# Altium PCB RadYaab_v1.PcbDoc (part 2 of 2)
Units mm, origin at the board's own origin, x right, y up, seen from the top; angles counter-clockwise.
Board outline 44 x 89 mm, 2 copper layers (Top Layer, Bottom Layer), stack 0.351 mm thick; 149 components, 96 nets, 434 pads, 290 vias.
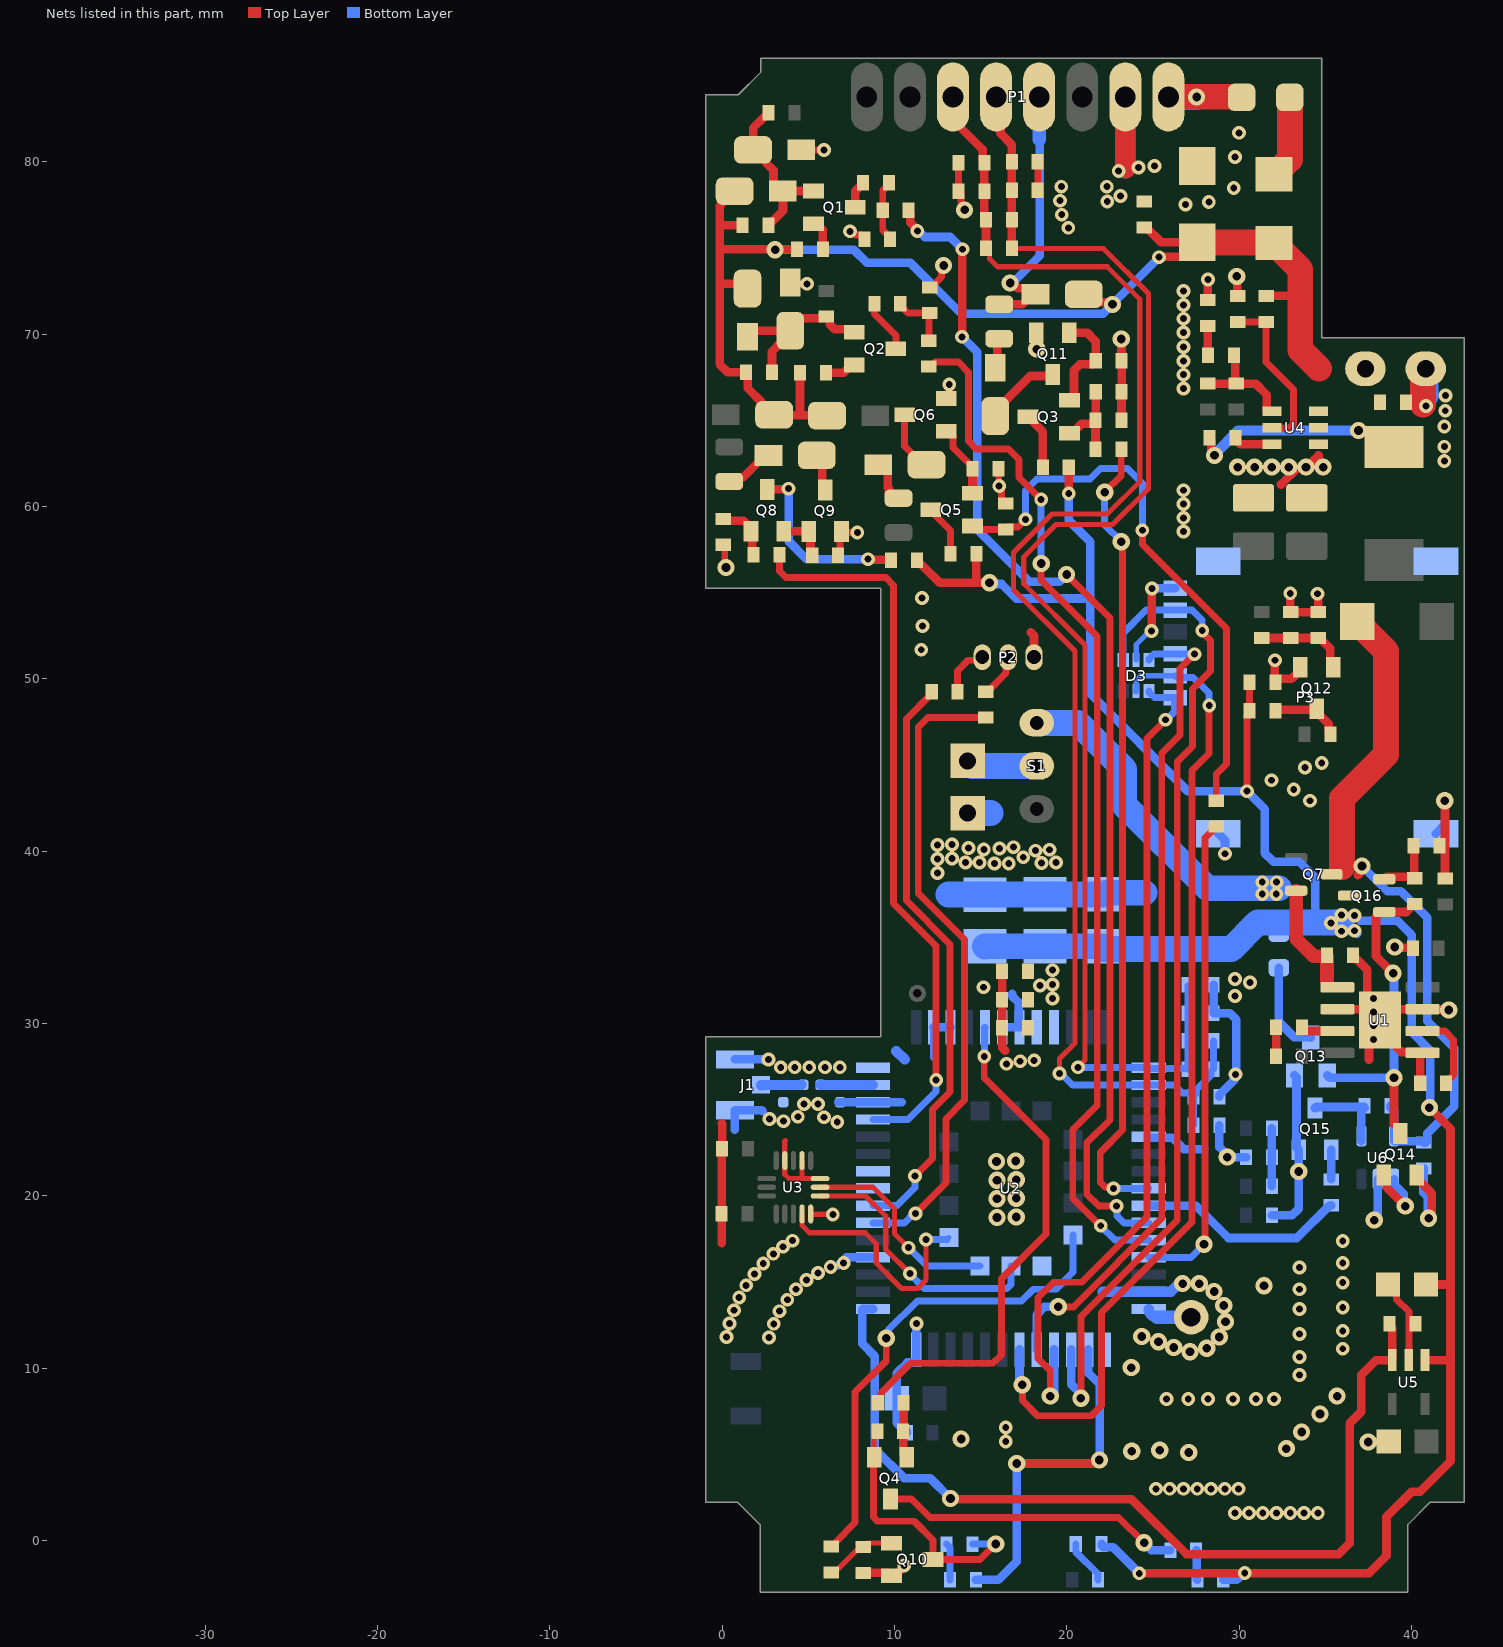
[diagram p2: the nets of this part, all layers, seen from the top]

## Via types
v1: diameter 0.8, hole 0.4, Top Layer to Bottom Layer, tented both sides, 206 vias
v2: diameter 1, hole 0.5, Top Layer to Bottom Layer, tented both sides, 84 vias

## Nets (pads, with @x,y where several pads share a name; then routed paths per layer and width w, separated by ;. In a path a pad name is that pad's centre, name@x,y a point inside that pad or via, vN(x,y) a via of type N, cw(c..) or ccw(c..) an arc to the next point about the centre after c; other vN are vias at no path point) (continued)
GND: C1.1 C2.1 C4.2 C5.1 C6.2 C7.1 C8.1 C9.1 C10.1 C11.1 C12.1 C13.1 C14.1 C15.1 C16.2 C17.1 C19.2 C20.1 C21.1 C22.1 C24.1 C25.1 C26.2 C27.1 C28.1 C29.1 C30.1 C31.1 C34.1 C36.2 C37.2 C38.2 C39.2 C42.1 C45.1 D2.1 D3.2 D5.A D8.1 J1.2 J1.3 JP1.2 P1.2 P2.3 P3.4 P3.9 P3.10 P3.11 P3.12 Q6.2 Q9.2 Q10.2 Q11.2 Q12.2 Q13.2 Q14.2 Q15.2 R1.1 R9.2 R14.2 R20.2 R23.1 R28.1 R35.2 R45.1 R46.1 R47.1 R50.1 R51.1 R53.1 R73.1 R75.2 R76.1 U1.1 U1.3 U1.6 U1.9 U2.5 U2.14 U2.16 U2.27 U2.31 U2.40 U2.42 U2.44 U2.45 U2.48 U2.49 U3.5 U3.8 U3.10 U3.12 U4.1 U5.2 U6.2 | length 185.4
  Top Layer w0.254: v2(24.359,11.836) 24.501,11.694 24.96,11.694 25.122,11.532 v2(25.324,11.532)
  Top Layer w0.3: 3.683,23.216 3.64,23.173 U3.12@3.64,22.048 3.64,21.252 3.894,20.998 4.674,20.998 ; U3.10@4.64,22.048 4.64,21.031 4.674,20.998 ; U3.5@5.14,18.948 5.14,18.935 6.414,18.935 v1(6.426,18.923) ; U3.8@5.69,20.998 4.674,20.998
  Top Layer w0.4: R50.1@0.076,57.785 0.152,57.709 0.152,56.54 v2(0.229,56.464) ; D8.1@3.962,72.999 4.038,72.923 v1(4.928,72.923) ; D2.1@4.597,80.696 v1(5.918,80.696) ; R51.1@6.731,57.175 6.83,57.275 6.83,58.448 Q9.2@6.929,58.547 6.98,58.496 v1(7.849,58.496) ; v1(7.417,75.971) 7.525,75.971 7.732,75.764 8.105,75.764 8.255,75.614 R23.1@8.255,75.514 ; R28.1@12.04,72.72 12.14,72.72 12.738,73.318 12.738,73.875 v2(12.852,73.99) ; Q6.2@13.005,66.269 13.183,66.446 v1(13.183,67.081) ; C28.1@13.715,79.959 C2.1@13.715,78.308 13.865,78.158 13.865,77.585 14.072,77.378 v2(14.072,77.216) ; R47.1@16.027,62.205 16.053,62.179 16.053,61.214 v1(16.078,61.189) 16.078,61.08 16.209,60.949 16.209,60.323 16.359,60.173 R46.1@16.459,60.173 ; Q11.2@18.237,70.079 18.25,70.066 18.25,69.151 v2(18.263,69.139) ; C6.2@18.315,78.259 C6.2@18.315,78.359 C36.2@18.315,80.01 ; v1@19.612,76.962 v1@19.685,76.962 ; v2(37.49,5.715) 38.659,5.715 C11.1@38.684,5.74 ; C12.1@38.643,14.859 39.143,14.359 39.143,13.994 39.85,13.286 U5.2@39.85,10.465
  Top Layer w0.5: -0.025,17.247 -0.025,17.424 -0.027,17.426 C34.1@-0.027,18.974 -0.014,18.986 -0.014,22.72 C31.1@-0.001,22.733 -0.001,24.182 -0.025,24.206 ; R53.1@8.179,-1.88 9.657,-1.88 Q10.2@9.83,-2.052 10.005,-2.052 10.566,-1.491 v1(10.566,-1.448) ; C5.1@16.255,33.02 C27.1@16.255,31.369 C7.1@16.255,29.743 16.255,28.602 16.434,28.423 ; 17.907,52.705 18.1,52.512 P2.3@18.1,51.262 ; C10.1@23.165,64.999 23.173,65.007 R73.1@23.173,66.277 ; R73.1@23.165,66.269 R73.1@23.173,66.277 ; v2(23.165,69.723) 23.173,69.714 23.173,68.462 R76.1@23.182,68.453 R73.1@23.182,66.675 R73.1@23.173,66.666 ; R73.1@23.173,66.675 R73.1@23.173,66.666 ; C14.1@24.473,77.738 C14.1@24.511,77.7 C14.1@24.611,77.7 ; v1(24.917,52.781) 24.93,52.794 24.93,55.232 v1(24.943,55.245) ; D5.A@26.774,78.921 27.584,79.731 D5.A@27.584,79.761 ; R9.2@28.169,71.984 28.181,71.996 28.181,73.165 v1(28.194,73.177) ; v2(29.87,73.355) 29.896,73.33 29.896,72.239 R20.2@29.921,72.214 ; v1(32.08,51.079) 32.08,49.827 C42.1@32.106,49.801 32.106,49.901 32.206,50.001 33.062,50.001 33.558,50.498 Q12.2@33.558,50.673 ; 32.436,61.277 33.414,62.255 33.63,62.255 33.68,62.205 33.803,62.328 34.311,62.328 34.311,62.67 34.608,62.967 34.62,62.954 v2@34.62,62.255 ; v1(32.969,54.966) 32.978,54.957 32.978,53.883 R75.2@32.987,53.875 C45.1@34.587,53.875 34.591,53.879 34.591,54.893 v1(34.544,54.94) ; U1.6@35.701,30.836 U1.9@37.541,30.836 ; C17.1@36.601,33.96 36.601,33.86 36.701,33.76 36.801,33.76 37.44,33.122 37.44,30.937 U1.9@37.541,30.836 ; 37.541,27.915 37.541,29.566 U1.9@37.821,29.845 ; v1(37.795,29.87) 37.846,29.87 U1.9@38.176,30.201 ; v2(39.04,34.442) 39.078,34.404 40.042,34.404 C1.1@40.08,34.366 ; Q14.2@40.305,21.209 40.305,21.034 41.187,20.152 41.187,19.021 40.996,18.83 v2(40.996,18.694) ; R1.1@40.512,26.543 40.512,28.246 40.562,28.296 U1.1@40.651,28.296 ; U1.1@40.601,28.346 39.426,28.346 39.133,28.638 39.133,29.244 U1.9@38.176,30.201 ; v2(41.935,42.926) 41.948,42.913 41.948,38.419 R14.2@41.961,38.406 ; v2(42.164,30.785) 42.139,30.81 40.677,30.81 U1.3@40.651,30.836 38.811,30.836 U1.9@38.176,30.201 ; R73.1@23.173,66.277 R73.1@23.173,66.666 ; U1.9@37.541,30.836 37.617,30.836 38.176,30.277 U1.9@38.176,30.201
  Top Layer w1: C21.1@33.934,60.506 C21.1@33.982,60.554
  Top Layer w1.2: 23.4,79.643 P1.2@23.4,83.769
  Top Layer w1.5: v1@40.665,65.913 40.665,67.835 C19.2@40.83,68
  Bottom Layer w0.3: D3.2@24.028,51.09 24.028,51.994 24.816,52.781 v1(24.917,52.781)
  Bottom Layer w0.4: v1@5.893,80.696 v1(5.918,80.696) ; 12.257,28.027 U2.44@12.257,29.782
  Bottom Layer w0.5: 0.737,23.851 J1.3@0.737,24.968 2.311,24.968 2.362,24.917 ; J1.2@0.737,27.918 2.384,27.918 v1@2.464,27.838 ; C9.1@6.732,25.433 U2.40@8.757,25.432 ; v1@6.757,15.977 7.212,16.432 U2.31@8.757,16.432 ; U2.40@8.757,25.432 10.414,25.432 ; 10.592,27.915 10.643,27.915 ; C13.1@10.717,6.248 10.717,6.348 10.617,6.448 10.517,6.448 10.135,6.831 C24.1@10.135,8.255 10.135,9.705 10.762,10.332 11.207,10.332 11.257,10.382 U2.27@11.257,11.082 11.267,11.092 11.267,12.588 v1(11.278,12.598) ; U2.44@12.257,29.782 U2.45@13.257,29.782 ; U2.48@16.257,29.782 U2.49@17.257,29.782 17.207,29.832 17.207,31.223 16.84,31.589 16.84,31.725 ; U2.5@24.757,23.432 24.807,23.382 26.123,23.382 26.797,22.708 27.965,22.708 ; v1(24.943,55.245) 24.951,55.253 26.286,55.253 P3.4@26.293,55.26 ; C38.2@28.52,32.241 C37.2@28.52,30.607 29.464,30.607 29.845,30.226 29.845,27.102 29.737,26.994 29.737,26.737 28.856,25.856 C29.1@28.856,25.756 ; P3.10@28.793,41.02 29.185,40.629 v1(29.185,39.853) ; C30.1@28.86,24.096 28.86,22.837 29.312,22.386 v2(29.312,22.25) ; v2@29.54,22.25 R45.1@30.402,22.25 ; C15.1@31.904,18.872 33.071,18.872 33.457,19.258 v2(33.457,21.412) Q15.2@33.457,22.682 33.335,22.804 33.335,26.87 Q13.2@33.213,26.992 ; v2(37.846,18.593) 37.846,18.728 38.049,18.931 U6.2@38.049,20.97 ; C26.2@40.716,21.589 40.716,21.501 40.704,21.489 40.704,20.194 40.954,19.944 40.954,18.736 v2(40.996,18.694) ; P3.12@41.423,41.02 P3.12@41.935,41.533
  Bottom Layer w0.6: 10.109,28.397 10.592,27.915 ; 22.093,14.432 U2.14@24.757,14.432 26.032,14.432 26.637,15.037 v2@26.822,15.037
  Bottom Layer w1.2: 23.4,79.648 P1.2@23.4,83.769
  Bottom Layer w1.5: 13.132,37.49 15.231,37.49 C4.2@15.248,37.473 15.257,37.482 18.737,37.482 C16.2@18.745,37.49 22.149,37.49 22.25,37.592 24.511,37.592 ; JP1.2@14.241,42.215 15.57,42.215 ; 40.83,66.446 C19.2@40.83,68
  other v1: 29.771,1.6 30.571,1.6 31.371,1.6 32.171,1.6 32.971,1.6 33.771,1.6 34.571,1.6 25.173,2.997 25.973,2.997 26.773,2.997 27.573,2.997 28.374,2.997 29.174,2.997 29.974,2.997 16.459,5.74 16.459,6.553 25.781,8.204 27.051,8.204 28.194,8.204 29.642,8.204 30.988,8.204 32.029,8.204 33.503,9.601 33.503,10.643 36.017,11.125 2.718,11.786 0.254,11.811 33.503,11.989 36.017,12.167 2.997,12.573 0.432,12.598 3.327,13.31 0.686,13.36 33.503,13.437 36.017,13.513 3.785,13.97 0.991,14.097 4.293,14.58 33.503,14.58 1.397,14.808 36.017,14.961 4.902,15.113 1.88,15.469 5.563,15.519 33.503,15.85 6.299,15.875 2.388,16.078 7.055,16.106 36.017,16.104 2.972,16.637 3.531,17.043 36.017,17.374 4.089,17.399 6.68,24.282 3.556,24.333 2.743,24.46 5.918,24.562 4.394,24.587 4.75,25.324 5.563,25.324 29.794,27.051 3.404,27.457 4.216,27.457 5.055,27.457 5.969,27.457 6.833,27.457 16.51,27.661 17.297,27.813 18.11,27.864 2.692,27.915 37.795,29.083 37.795,30.658 37.795,31.445 29.769,31.598 15.164,32.106 30.632,32.385 29.769,32.588 12.497,38.735 15.799,39.294 16.637,39.294 18.542,39.319 14.122,39.345 14.935,39.345 19.38,39.345 12.497,39.548 13.335,39.573 17.475,39.649 18.186,40.03 18.999,40.081 15.189,40.107 16.104,40.157 14.3,40.183 16.916,40.234 12.497,40.361 13.335,40.386 34.112,42.926 33.172,43.586 31.877,44.12 33.833,44.856 34.798,45.11 11.557,51.689 11.633,53.061 11.608,54.686 26.772,58.545 26.772,59.346 26.772,60.146 26.772,60.946 41.91,62.636 41.91,63.475 41.91,64.643 41.961,65.557 40.843,65.837 41.986,66.446 26.772,66.851 26.772,67.651 26.772,68.451 26.772,69.251 26.772,70.102 26.772,70.903 26.772,71.703 26.772,72.503 20.091,76.175 19.71,76.937 26.899,77.521 28.245,77.673 22.352,77.699 19.609,77.749 23.114,78.029 29.693,78.486 19.685,78.562 22.327,78.562 23.012,79.477 24.155,79.68 25.095,79.756 29.769,80.289 29.997,81.686
  other v2: 27.076,5.105 23.774,5.182 25.4,5.232 32.745,5.334 13.868,5.893 33.63,6.299 34.696,7.341 35.687,8.382 23.741,10.033 27.153,10.947 28.118,11.151 26.213,11.201 28.854,11.811 29.21,12.7 29.108,13.64 28.55,14.453 31.445,14.783 26.721,14.91 27.686,14.91 15.951,18.745 17.069,18.771 15.951,19.837 17.069,19.863 15.951,20.904 17.069,20.93 15.926,21.996 17.043,22.022 29.912,62.292 30.902,62.292 31.893,62.292 32.884,62.292 33.884,62.292 34.874,62.292
GNSS_1PPS: LED4.1 U2.17 | length 20.1
  Top Layer w0.5: v2(17.094,4.47) 21.692,4.47 v2(21.895,4.674)
  Bottom Layer w0.5: LED4.1@14.732,-2.286 16.027,-2.286 17.094,-1.219 v2(17.094,4.47) ; U2.17@21.257,11.082 21.257,9.723 21.903,9.076 21.903,4.682 v2(21.895,4.674)
GNSS_ANT: A1.1 U2.15 | length 2.8
  Bottom Layer w0.6: U2.15@24.757,13.432 ccw(c25.235,13.432) 25.235,12.954
  Bottom Layer w0.8: 25.235,12.954 A1.1@27.221,12.954 A1.1@27.246,12.929
GNSS_VCC_EN: R35.1 U2.28 U5.3 | length 53.8
  Top Layer w0.5: v2(13.256,2.436) 13.256,2.385 23.777,2.385 26.949,-0.787 35.789,-0.787 36.424,-0.152 36.424,6.807 37.084,7.468 37.084,9.601 37.948,10.465 U5.3@38.885,10.465 38.885,12.321 38.734,12.473 R35.1@38.734,12.573
  Bottom Layer w0.5: U2.28@8.757,13.432 8.178,13.432 8.128,13.382 8.128,11.43 8.865,10.693 8.865,5.309 10.566,3.607 12.085,3.607 v2(13.256,2.436)
GSM_ANT: C8.2 J1.1 R11.1 | length 2.3
  Bottom Layer w0.6: J1.1@2.261,26.416 2.278,26.433 C8.2@3.556,26.433 4.58,26.433 R11.1@4.588,26.441
GSM_WD: R41.2 U2.9 | length 12.2
  Bottom Layer w0.5: U2.9@24.757,19.432 27.507,19.432 29.388,17.551 33.352,17.551 35.232,19.432 35.332,19.432 R41.2@35.357,19.456
HRXD: P2.1 R34.2 | length 3
  Top Layer w0.4: R34.2@13.665,49.253 13.665,50.47 14.276,51.08 14.918,51.08 P2.1@15.1,51.262
HTXD: P2.2 R31.2 | length 2.6
  Top Layer w0.4: R31.2@15.291,49.253 15.391,49.253 16.485,50.347 16.485,51.147 P2.2@16.6,51.262
IIC_SCL0: U2.35
IIC_SDA0: U2.36
LED_Ctrl: R52.2 U2.58 | length 28.3
  Top Layer w0.4: R52.2@6.325,-0.354 6.425,-0.354 6.575,-0.204 6.575,-0.104 7.722,1.043 7.722,8.611 9.525,10.414 v2(9.525,11.735)
  Bottom Layer w0.4: v2(9.525,11.735) 9.64,11.85 9.64,12.205 11.328,13.894 17.374,13.894 18.059,14.58 19.366,14.58 20.357,15.57 U2.58@20.357,17.732
LED_GND: Q4.2 Q10.3 R18.2 R29.1 | length 15.6
  Top Layer w0.3: Q4.2@8.821,4.826 8.821,6.162 R29.1@9.009,6.35
  Top Layer w0.4: Q4.2@8.821,4.826 8.788,4.793 8.788,1.352 9.023,1.118 11.151,1.118 12.243,0.025 Q10.3@12.243,-1.102 14.976,-1.102 v2(15.875,-0.203)
  Bottom Layer w0.4: R18.2@14.527,-0.206 14.53,-0.203 v2(15.875,-0.203)
MC60_ANT_PAD: C9.2 R11.2 U2.41 | length 3
  Bottom Layer w0.6: R11.2@5.715,26.441 5.723,26.433 C9.2@6.858,26.433 ; C9.2@6.858,26.432 U2.41@8.757,26.432
MIC_N: C2.2 C3.2 C28.2 C29.2 C30.2 C32.2 C33.2 C35.2 P1.6 U2.2 | length 85.2
  Top Layer w0.3: C3.2@15.316,74.981 15.516,74.781 15.516,74.374 15.977,73.914 22.352,73.914 24.232,72.034 24.232,61.443 22.352,59.563 19.152,59.563 16.916,57.328 16.916,55.169 20.472,51.613 20.472,28.854 19.583,27.965 v1(19.583,27.102)
  Top Layer w0.5: P1.6@13.4,83.769 13.4,82.434 15.115,80.72 15.115,80.059 C28.2@15.215,79.959 C2.2@15.215,78.308 15.215,76.833 15.316,76.732 C32.2@15.316,76.632 C3.2@15.316,74.981
  Bottom Layer w0.4: v1(19.583,27.102) 19.658,27.102 20.328,26.432 U2.2@24.757,26.432 26.248,26.432 26.716,25.964 27.206,25.964 27.356,25.814 C29.2@27.356,25.756 27.358,25.754 27.358,24.098 C30.2@27.36,24.096 ; C29.2@27.506,25.906 27.506,26.134 28.37,26.998 28.37,27.206 C33.2@28.52,27.356 C35.2@28.52,28.99
MIC_P: C3.1 C6.1 C32.1 C33.1 C35.1 C36.1 C37.1 C38.1 P1.5 U2.1 | length 80.9
  Top Layer w0.3: C3.1@16.816,74.981 22.123,74.981 24.74,72.365 24.74,61.036 22.657,58.953 19.38,58.953 17.501,57.074 17.501,55.524 21.057,51.968 21.057,27.883 20.65,27.477 v1(20.65,27.457)
  Top Layer w0.5: P1.5@15.9,83.769 16.158,83.511 16.158,81.657 16.815,81.001 C36.1@16.815,80.01 ; C6.1@16.815,78.359 C36.1@16.815,79.997 ; C32.1@16.816,76.632 C6.1@16.815,78.359 ; C3.1@16.816,74.981 C32.1@16.816,76.632
  Bottom Layer w0.4: v1(20.65,27.457) 20.663,27.445 24.744,27.445 24.795,27.394 26.982,27.394 C33.1@27.02,27.356 C35.1@27.02,28.99 C37.1@27.02,30.607 C38.1@27.02,32.19
NET_LED: R21.2 U2.47 | length 30.1
  Top Layer w0.4: R21.2@9.033,8.001 9.183,8.151 9.183,8.523 10.947,10.287 15.723,10.287 16.205,10.77 16.205,15.189 18.796,17.78 18.796,23.258 15.215,26.84 v1(15.215,28.092)
  Bottom Layer w0.4: v1(15.215,28.092) 15.236,28.114 15.236,29.761 U2.47@15.257,29.782
NetC10_2: C10.2 Q3.1 R69.2 R73.2 | length 5.1
  Top Layer w0.5: Q3.1@20.16,64.262 20.335,64.262 20.871,64.799 21.565,64.799 C10.2@21.665,64.899 ; R69.2@21.665,63.322 C10.2@21.665,64.899 ; R73.2@21.682,66.675 21.673,66.666 21.673,65.007 C10.2@21.665,64.999 C10.2@21.665,64.899
NetC18_1: C18.1 U4.6 | length 2.3
  Top Layer w0.5: C18.1@29.796,63.983 29.796,63.883 30.061,63.617 U4.6@31.899,63.617
NetC18_2: C18.2 L1.1 U4.2 | length 10.1
  Top Layer w0.5: C18.2@28.296,63.983 28.396,63.883 28.396,63.227 28.575,63.048 v2(28.575,62.967)
  Bottom Layer w0.6: v2(28.575,62.967) 28.575,63.048 29.942,64.414 v2(36.932,64.414)
NetC23_1: C23.1 R4.2 R5.1 U4.4 | length 6.3
  Top Layer w0.5: C23.1@28.194,67.132 R4.2@29.669,67.132 ; R5.1@29.693,68.783 29.769,68.707 R4.2@29.769,67.232 ; R4.2@29.845,67.132 30.963,67.132 31.599,66.496 31.599,65.542 31.624,65.517 U4.4@31.899,65.517
NetC45_2: C45.2 Q12.1 R72.1 R75.1 | length 5.4
  Top Layer w0.5: R72.1@31.318,52.375 R75.1@32.987,52.375 C45.2@34.587,52.375 34.687,52.375 35.283,51.778 35.283,50.848 Q12.1@35.458,50.673
NetD1_1: D1.1 D2.2 Q1.1 R6.2 R13.1 | length 9.9
  Top Layer w0.5: R13.1@2.692,82.855 2.692,82.755 2.592,82.655 2.492,82.655 1.797,81.96 D2.2@1.797,80.696 2.016,80.696 2.555,80.157 2.555,79.938 2.98,79.513 2.98,78.658 3.023,78.658 D1.1@3.373,78.308 ; R6.2@2.694,76.327 2.694,76.427 2.794,76.527 2.894,76.527 3.53,77.164 D1.1@3.53,78.308 Q1.1@5.309,78.308
NetD4_1: D4.1 F4.2 | length 4.9
  Top Layer w1.5: D4.1@31.931,79.387 32.191,79.387 32.947,80.143 F4.2@32.947,83.744
NetD7_1: D7.1 D8.2 Q2.1 R25.2 R26.1 | length 10.2
  Top Layer w0.5: D7.1@1.473,69.85 1.822,70.199 D8.2@3.962,70.199 ; R25.2@2.896,67.793 2.896,68.993 3.345,69.442 3.424,69.442 3.962,69.981 D8.2@3.962,70.199 ; R26.1@6.045,70.918 4.501,70.918 3.962,70.38 D8.2@3.962,70.199 ; R26.1@6.045,71.018 6.145,71.018 6.245,70.918 6.245,70.582 6.538,70.289 7.496,70.289 Q2.1@7.671,70.114
NetD10_1: D10.1 F1.2 | length 2
  Top Layer w0.5: D10.1@15.85,68.047 15.964,68.161 15.964,69.625 F1.2@16.078,69.739 ; F1.2@16.192,69.625 F1.2@16.332,69.765
NetD10_2: D10.2 Q11.3 | length 4.5
  Top Layer w0.5: D10.2@15.85,65.247 15.85,65.547 17.88,67.577 19.098,67.577 Q11.3@19.187,67.666
NetD11_1: D11.1 F2.2 | length 2.7
  Top Layer w0.5: D11.1@9.068,62.433 9.268,62.433 9.618,62.083 9.618,61.105 9.686,61.037 9.686,60.737 9.936,60.487 F2.2@10.236,60.487
NetD11_2: D11.2 Q6.3 | length 3.5
  Top Layer w0.4: Q6.3@10.592,65.319 10.592,63.518 11.676,62.433 D11.2@11.868,62.433
NetD13_1: D13.1 F3.2 | length 2.9
  Top Layer w0.5: F3.2@0.406,61.459 0.656,61.709 1.235,61.709 2.493,62.967 D13.1@2.693,62.967
NetD13_2: D13.2 Q9.3 | length 2.2
  Top Layer w0.5: D13.2@5.493,62.967 5.804,62.655 5.804,61.135 Q9.3@5.979,60.96
NetJP1_1: JP1.1 S1.2 | length 4.1
  Bottom Layer w1.5: JP1.1@14.241,45.237 14.532,44.947 S1.2@18.263,44.947
NetLED1_2: LED1.2 R2.1 | length 1.7
  Top Layer w0.5: LED1.2@32.155,28.092 R2.1@32.155,29.794
NetLED2_2: LED2.2 R15.1 | length 1.8
  Bottom Layer w0.5: R15.1@27.51,-0.559 27.546,-0.596 27.546,-2.249 LED2.2@27.583,-2.286
NetLED3_1: LED3.1 R16.2 | length 2.6
  Bottom Layer w0.4: R16.2@20.522,-0.203 20.522,-0.659 21.819,-1.956 LED3.1@21.819,-2.286
NetLED4_2: LED4.2 R18.1 | length 2.2
  Bottom Layer w0.4: R18.1@13.027,-0.206 13.232,-0.411 LED4.2@13.232,-2.286
NetQ1_2: Q1.2 R3.1 | length 1.8
  Top Layer w0.5: Q1.2@5.309,76.408 5.484,76.408 5.843,76.048 R3.1@5.843,74.93
NetQ1_3: Q1.3 R8.2 | length 1.7
  Top Layer w0.5: Q1.3@7.722,77.358 7.722,78.298 8.014,78.591 8.079,78.591 8.179,78.691 R8.2@8.179,78.791
NetQ2_2: Q2.2 R24.1 | length 2.1
  Top Layer w0.5: R24.1@6.021,67.767 7.049,67.767 7.496,68.214 Q2.2@7.671,68.214 Q2.2@7.846,68.039
NetQ2_3: Q2.3 R12.2 | length 2.6
  Top Layer w0.4: 8.839,71.272 8.839,71.172 10.084,69.928 Q2.3@10.084,69.164
NetQ3_2: Q3.2 Q11.1 R76.2 | length 6.3
  Top Layer w0.5: Q11.1@20.137,70.079 21.184,70.079 21.682,69.58 R76.2@21.682,68.453 21.682,68.353 21.582,68.253 20.77,68.253 20.422,67.905 20.422,66.337 20.247,66.162 Q3.2@20.16,66.162
NetQ3_3: Q3.3 R57.1 | length 3.4
  Top Layer w0.5: Q3.3@17.747,65.212 17.922,65.212 18.097,65.037 18.097,64.862 18.617,64.342 R57.1@18.617,62.281
NetQ4_1: Q4.1 R21.1 R29.2 | length 3.3
  Top Layer w0.5: R21.1@10.533,8.001 10.533,6.374 R29.2@10.509,6.35 10.509,5.038 Q4.1@10.721,4.826
NetQ4_3: Q4.3 R15.2 | length 17.5
  Top Layer w0.4: Q4.3@9.771,2.413 10.998,2.413 12.065,1.346 23.014,1.346 v2(24.487,-0.127)
  Bottom Layer w0.5: v2(24.487,-0.127) 24.919,-0.559 R15.2@26.01,-0.559
NetQ5_1: Q5.1 R30.2 R46.2 | length 33.5
  Top Layer w0.4: Q5.1@14.529,58.867 14.723,58.673 R46.2@16.559,58.673 ; R46.2@16.459,58.673 16.605,58.818 17.162,58.818 v1(17.602,59.258) ; v1(24.384,58.623) 24.384,57.81 29.261,52.934 29.261,45.06 28.677,44.475 R30.2@28.677,42.926
  Bottom Layer w0.4: v1(17.602,59.258) 17.602,60.92 18.277,61.595 21.361,61.595 21.971,62.205 23.52,62.205 24.384,61.341 v1(24.384,58.623)
NetQ5_2: Q5.2 Q6.1 R47.2 | length 4.3
  Top Layer w0.4: Q6.1@13.005,64.369 13.18,64.369 13.405,64.144 13.405,63.427 14.527,62.305 R47.2@14.527,62.205
  Top Layer w0.5: Q5.2@14.528,60.768 R47.2@14.527,62.205
NetQ5_3: Q5.3 R7.1 | length 2.9
  Top Layer w0.4: Q5.3@12.192,59.675 13.257,58.609 R7.1@13.257,57.252
NetQ8_1: Q8.1 R49.2 R50.2 | length 3.4
  Top Layer w0.5: R50.2@0.076,59.285 0.176,59.185 1.239,59.185 1.676,58.748 Q8.1@1.676,58.573 ; Q8.1@1.676,58.572 1.752,58.497 1.752,57.276 R49.2@1.827,57.201
NetQ8_2: Q8.2 Q9.1 R51.2 | length 2.9
  Top Layer w0.5: Q8.2@3.576,58.572 3.589,58.56 5.017,58.56 Q9.1@5.029,58.547 5.131,58.445 5.131,57.275 R51.2@5.231,57.175
NetQ8_3: Q8.3 R48.1 | length 10.7
  Top Layer w0.5: Q8.3@2.626,60.985 2.652,61.011 3.835,61.011 v1(3.861,61.036) ; v1(8.458,56.947) 8.484,56.921 9.778,56.921 R48.1@9.803,56.896
  Bottom Layer w0.5: v1(3.861,61.036) 3.861,57.988 4.902,56.947 v1(8.458,56.947)
NetQ10_1: Q10.1 R52.1 R53.2 | length 4
  Top Layer w0.3: R52.1@6.325,-1.854 6.528,-1.854 R53.2@8.002,-0.38 ; R53.2@8.179,-0.38 8.406,-0.152 Q10.1@9.83,-0.152
NetQ12_3: Q12.3 R60.1 R68.1 | length 4.3
  Top Layer w0.5: R60.1@32.106,48.15 32.16,48.205 34.454,48.205 Q12.3@34.508,48.26 34.508,48.085 35.206,47.387 35.206,46.887 R68.1@35.306,46.787
NetQ13_1: Q13.1 Q14.3 Q16.1 R37.1 | length 19.8
  Top Layer w0.5: v2(38.938,32.918) 37.948,33.909 37.948,36.201 38.03,36.283 38.03,36.429 38.075,36.474 Q16.1@38.43,36.474 39.715,36.474 40.008,36.767 40.008,36.832 40.108,36.932 R37.1@40.208,36.932 ; v2(38.989,26.848) 38.989,24.163 39.355,23.797 Q14.3@39.355,23.622
  Bottom Layer w0.5: Q13.1@35.113,26.992 35.258,26.848 v2(38.989,26.848) 38.989,32.868 v2(38.938,32.918)
NetQ13_3: Q13.3 R39.1 | length 5.4
  Bottom Layer w0.5: R39.1@32.309,33.239 32.309,30.099 33.206,29.202 34.153,29.202 Q13.3@34.163,29.192
NetQ14_1: Q14.1 U6.1 | length 4.2
  Top Layer w0.5: Q14.1@38.405,21.209 38.58,21.034 38.58,20.475 v2(39.649,19.406)
  Bottom Layer w0.5: U6.1@38.999,20.97 38.999,20.66 39.554,20.105 39.554,19.501 v2(39.649,19.406)
NetQ15_1: Q15.1 R41.1 | length 1.7
  Bottom Layer w0.5: R41.1@35.357,20.956 Q15.1@35.357,22.682
NetQ15_3: Q15.3 R40.1 U6.4 | length 4.9
  Bottom Layer w0.5: Q15.3@34.407,25.095 34.47,25.159 37.249,25.159 37.286,25.122 37.099,24.936 U6.4@37.099,23.48 U6.4@37.099,23.17
NetR1_2: R1.2 U1.2 | length 4.7
  Top Layer w0.4: U1.2@40.651,29.566 40.654,29.563 41.938,29.563 42.443,29.058 42.443,27.027 42.209,26.793 42.162,26.793 42.012,26.643 R1.2@42.012,26.543
NetR2_2: R2.2 U1.7 | length 2.2
  Top Layer w0.5: R2.2@33.655,29.794 33.655,29.694 33.784,29.566 U1.7@35.701,29.566
NetR5_2: R5.2 R9.1 | length 1.7
  Top Layer w0.5: R9.1@28.169,70.484 28.181,70.472 28.181,68.795 R5.2@28.193,68.783
NetR8_1: R8.1 R22.1 R23.2 | length 3.6
  Top Layer w0.4: R8.1@9.679,78.791 9.679,78.691 9.322,78.334 R22.1@9.322,77.191 9.322,76.047 9.755,75.614 R23.2@9.755,75.514
NetR10_2: R10.2 R20.1 U4.5 | length 9.6
  Top Layer w0.4: R20.1@29.921,70.714 R10.2@31.572,70.713 ; R10.2@31.572,70.712 31.572,68.377 33.147,66.802 33.147,64.801 32.913,64.567 U4.5@31.899,64.567
NetR12_1: R12.1 R27.1 R28.2 | length 3.6
  Top Layer w0.4: R12.1@10.339,71.78 10.339,71.68 10.799,71.22 R28.2@12.04,71.22 12.014,71.195 R27.1@12.014,69.647
NetR31_1: R31.1 U2.33 | length 37.3
  Top Layer w0.4: v1(11.227,18.974) 12.992,20.739 12.992,24.473 14.072,25.552 14.072,34.874 11.379,37.567 11.379,47.187 11.945,47.753 R31.1@15.291,47.753
  Bottom Layer w0.4: U2.33@8.757,18.432 10.577,18.432 11.119,18.974 v1(11.227,18.974)
NetR34_1: R34.1 U2.34 | length 34.2
  Top Layer w0.4: v1(11.201,21.158) 12.217,22.174 12.217,25.019 13.233,26.035 13.233,34.595 10.693,37.135 10.693,47.681 12.165,49.153 R34.1@12.165,49.253
  Bottom Layer w0.4: U2.34@8.757,19.432 10.161,19.432 11.201,20.472 v1(11.201,21.158)
NetR43_1: R43.1 R44.1 R45.2 | length 3.4
  Bottom Layer w0.5: R44.1@31.904,20.549 R45.2@31.902,22.25 ; R45.2@31.902,22.25 R43.1@31.904,23.927
REL1: R69.1 U2.8 | length 46.8
  Top Layer w0.4: v2(22.2,60.833) 23.165,61.798 R69.1@23.165,63.221 ; v1(22.708,20.432) 22.631,20.509 22.214,20.509 21.946,20.777 21.946,22.53 23.241,23.825 23.241,57.887 v2(23.165,57.963)
  Bottom Layer w0.4: v2(22.2,60.833) 22.2,58.928 v2(23.165,57.963) ; v1(22.708,20.432) U2.8@24.757,20.432
RELAY1: D9.1 F1.1 P1.4 | length 15.4
  Top Layer w0.5: F1.1@16.078,71.739 17.412,71.739 D9.1@17.987,72.314 ; v2(16.713,72.974) 16.849,72.974 17.159,72.664 17.837,72.664 D9.1@18.087,72.414
  Bottom Layer w0.5: v2(16.713,72.974) 16.849,72.974 18.44,74.566 18.44,81.265 18.4,81.305
  Bottom Layer w0.8: 18.4,81.305 P1.4@18.4,83.769
SIM_CLK: D3.4 P3.3 U2.19 | length 49.6
  Top Layer w0.4: v2(19.042,8.382) 19.042,9.858 18.336,10.564 18.336,14.094 19.225,14.983 20.851,14.983 24.648,18.781 24.648,46.543 v1(25.73,47.625)
  Bottom Layer w0.4: D3.4@24.778,49.29 24.778,49.215 25.083,48.91 P3.3@26.293,48.91 26.238,48.855 26.238,48.082 25.781,47.625 v1(25.73,47.625)
  Bottom Layer w0.5: v2(19.042,8.382) 19.257,8.597 U2.19@19.257,11.082
SIM_DATA: D3.5 P3.6 U2.21 | length 57.6
  Top Layer w0.4: v2(17.422,9.04) 17.422,8.131 18.313,7.239 21.438,7.239 22.019,7.82 22.019,13.231 27.264,18.476 27.264,44.688 28.245,45.669 28.245,48.438 v1(28.27,48.463)
  Bottom Layer w0.3: D3.5@24.028,49.29 24.028,49.946 24.263,50.18 P3.6@26.293,50.18
  Bottom Layer w0.4: P3.6@26.293,50.18 26.389,50.085 27.334,50.085 28.245,49.174 v1@28.245,48.463
  Bottom Layer w0.5: U2.21@17.257,11.082 17.257,9.204 v2(17.422,9.04)
SIM_RST: D3.3 P3.2 U2.20 | length 48
  Top Layer w0.4: v2(19.504,13.561) 20.393,13.561 25.511,18.679 25.511,45.679 26.568,46.736 26.568,50.597 v1(27.407,51.435)
  Bottom Layer w0.4: D3.3@24.778,51.09 24.778,51.165 25.064,51.45 P3.2@26.293,51.45 26.301,51.443 27.399,51.443 v1(27.407,51.435)
  Bottom Layer w0.5: U2.20@18.257,11.082 18.257,13.106 18.711,13.561 v2(19.504,13.561)
SIM_VDD: D3.1 P3.1 U2.18 | length 58.5
  Top Layer w0.4: v2(20.82,8.255) 20.82,12.997 26.413,18.59 26.413,45.209 27.292,46.088 27.292,49.416 28.346,50.47 28.346,52.216 27.864,52.698 v1(27.864,52.807)
  Bottom Layer w0.4: D3.1@23.278,51.09 23.278,52.666 24.603,53.99 P3.1@26.293,53.99 27.274,53.99 27.864,53.401 v1(27.864,52.807)
  Bottom Layer w0.5: U2.18@20.257,11.082 20.257,9.072 20.82,8.509 v2(20.82,8.255)
SPI_CLK: U2.62 U3.4 | length 13.9
  Top Layer w0.3: U3.4@4.64,18.948 4.64,18.296 5.08,17.856 8.306,17.856 8.941,17.221 8.941,16.104 10.414,14.63 11.354,14.63 11.836,15.113 v1(11.836,17.475)
  Bottom Layer w0.3: U2.62@13.05,17.475 U2.62@13.157,17.582
  Bottom Layer w0.4: v1(11.836,17.475) U2.62@13.05,17.475
SPI_CS: U2.59
SPI_MISO: U2.61 U3.7 | length 12
  Top Layer w0.3: U3.7@5.69,20.498 8.763,20.498 10.008,19.253 10.008,17.805 v1(10.82,16.993)
  Bottom Layer w0.4: v1(10.82,16.993) 11.881,15.932 U2.61@14.957,15.932
SPI_MOSI: U2.60 U3.6 | length 15.6
  Top Layer w0.3: U3.6@5.69,19.998 8.323,19.998 9.5,18.821 9.5,16.891 v1(10.897,15.494)
  Bottom Layer w0.4: v1(10.897,15.494) 10.897,15.464 11.73,14.63 16.523,14.63 16.757,14.865 U2.60@16.757,15.932
u_Dout1: R49.1 U2.39 | length 42.6
  Top Layer w0.4: R49.1@3.327,57.201 3.327,56.261 3.708,55.88 9.5,55.88 9.957,55.423 9.957,36.957 12.421,34.493 v1(12.421,26.721)
  Bottom Layer w0.4: U2.39@8.757,24.432 10.792,24.432 12.421,26.06 v1(12.421,26.721)
u_Dout2: R30.1 U2.12 | length 28.1
  Top Layer w0.4: v2(27.965,17.196) 28.029,17.259 28.029,40.778 28.427,41.176 28.427,41.276 28.577,41.426 R30.1@28.677,41.426
  Bottom Layer w0.4: U2.12@24.757,16.432 27.202,16.432 v2(27.965,17.196)
uDin_1: R22.2 U2.10 | length 69.9
  Top Layer w0.4: v2(19.99,56.058) 22.504,53.543 22.504,24.409 21.158,23.063 21.158,20.117 21.869,19.406 v1(22.885,19.406)
  Top Layer w0.5: R22.2@10.822,77.191 10.922,77.091 10.922,76.485 11.328,76.078 v1(11.328,75.997) ; v1(13.919,69.85) 13.945,69.875 v1(13.945,74.93)
  Bottom Layer w0.4: v1(22.885,19.406) 22.926,19.365 22.926,18.832 23.326,18.432 U2.10@24.757,18.432
  Bottom Layer w0.5: v1(11.328,75.997) 11.41,75.997 11.765,75.641 13.233,75.641 v1(13.945,74.93) ; v1(13.919,69.85) 14.808,68.961 14.808,58.674 17.856,55.626 19.558,55.626 v2(19.99,56.058)
uDin_2: R27.2 U2.11 | length 60.8
  Top Layer w0.4: R27.2@11.989,68.121 12.089,68.121 12.344,68.377 13.716,68.377 14.3,67.793 14.3,63.794 14.746,63.348 16.612,63.348 17.221,62.738 17.221,61.697 v1(18.517,60.401) ; v2(18.517,56.693) 18.517,55.728 21.768,52.476 21.768,25.248 20.345,23.825 20.345,19.888 v1(21.971,18.263)
  Bottom Layer w0.4: v2(18.517,56.693) v1(18.517,60.401) ; v1(21.971,18.263) 22.802,17.432 U2.11@24.757,17.432
V2G: C4.1 C5.2 C7.2 C12.2 C16.1 C27.2 C39.1 C42.2 LED2.1 Q16.3 R7.2 R16.1 R39.2 R48.2 R57.2 R60.2 U2.50 U2.51 U5.1 | length 140.1
  Top Layer w0.4: v1(30.455,43.485) 30.455,47.666 30.456,47.667 30.456,48 R60.2@30.606,48.15 C42.2@30.606,49.801
  Top Layer w0.5: R48.2@11.303,56.896 11.303,56.796 11.403,56.696 11.503,56.696 12.624,55.575 14.681,55.575 ; R7.2@14.757,57.252 14.757,55.651 14.681,55.575 ; v2(15.519,55.575) 14.681,55.575 ; v1(20.117,60.757) R57.2@20.117,62.281 ; v1(24.206,-1.905) 24.219,-1.892 37.554,-1.892 38.557,-0.889 38.557,1.372 40.018,2.832 40.5,2.832 42.266,4.597 42.266,10.49 ; U5.1@40.79,10.465 42.24,10.465 42.266,10.49 ; C12.2@40.843,14.859 42.266,14.859 ; v2(41.046,25.121) 42.266,23.901 42.266,14.859 ; 42.266,10.49 42.266,14.859
  Bottom Layer w0.5: v2(15.519,55.575) 15.586,55.509 16.221,55.509 17.069,54.661 21.361,54.661 ; v1(20.117,60.757) 20.117,59.207 21.361,57.963 21.361,54.661 ; R16.1@22.022,-0.203 22.022,-0.292 22.122,-0.392 22.693,-0.392 v1(24.206,-1.905) ; LED2.1@29.083,-2.286 29.87,-2.286 30.264,-1.892 v1(30.328,-1.892) ; 34.417,35.865 34.417,38.456 33.477,39.395 31.979,39.395 31.496,39.878 31.496,42.443 v1(30.455,43.485) 27.026,43.485 21.361,49.149 21.361,54.661 ; v1(36.703,35.382) v1@36.859,35.226 ; 37.033,35.966 39.192,35.966 40.03,35.128 40.03,29.489 41.094,28.425 41.094,25.169 v2(41.046,25.121)
  Bottom Layer w1.5: C4.1@15.248,34.473 15.257,34.482 C39.1@22.14,34.482 ; C39.1@22.14,34.315 29.54,34.315 31.09,35.865 34.417,35.865 35.853,35.865 35.941,35.777
  other v1: 19.177,31.445 18.44,32.207 19.177,32.258 19.177,33.096 35.941,35.357 35.331,35.839 36.703,36.271 35.941,36.297
V2G_1: C25.2 C26.1 D15.2 Q7.3 Q16.2 R37.2 R40.2 U6.5 | length 43.8
  Top Layer w0.5: 36.881,38.608 37.135,38.862 v2(37.135,39.141) ; Q16.2@38.43,38.374 38.576,38.52 40.12,38.52 R37.2@40.17,38.47 ; C25.2@40.132,40.31 40.17,40.272 R37.2@40.17,38.47 ; R37.2@40.208,38.432 R37.2@40.17,38.47
  Top Layer w1.5: 35.966,39.091 35.966,43.053 38.532,45.618 38.532,51.6 37.117,53.015 37.117,53.09 D15.2@36.867,53.34
  Bottom Layer w0.5: v2(37.135,39.141) 38.591,37.685 39.378,37.685 40.916,36.147 40.916,30.15 42.494,28.572 42.494,25.197 40.916,23.619 40.916,23.189 40.816,23.089 C26.1@40.716,23.089 40.635,23.17 39.044,23.17 38.999,23.215 38.999,24.909 38.786,25.122 R40.2@38.786,25.222
VBAT: C17.2 Q7.2 S1.1 U1.5 | length 25.7
  Top Layer w0.8: Q7.2@33.316,37.709 33.316,34.909 34.316,33.908 35.101,33.908 35.101,32.461
  Bottom Layer w1.5: S1.1@18.263,47.447 20.65,47.447 23.339,44.759 23.339,42.676 28.169,37.846 v1@32.309,37.846
  other v1: 31.344,37.516 32.156,37.516 31.344,38.202 32.182,38.202
VFF: F4.1 P1.1 | length 5.9
  Top Layer w1.5: P1.1@25.9,83.769 25.913,83.782 30.109,83.782 F4.1@30.147,83.744
  Bottom Layer w1.5: P1.1@25.9,83.769 v2@27.514,83.769
  other v2: 27.534,83.769
VIN: C14.2 C19.1 C20.2 D1.2 D4.2 D5.C D7.2 D9.2 D12.2 D14.2 R3.2 R6.1 R10.1 R24.2 R25.1 U4.3 | length 77.9
  Top Layer w0.5: R6.1@1.194,76.327 -0.033,76.327 -0.135,76.429 ; D7.2@1.473,72.65 1.2,72.923 -0.135,72.923 ; D1.2@1.488,77.77 0.949,78.308 D1.2@0.73,78.308 0.512,78.308 -0.027,77.77 -0.027,77.551 -0.135,77.443 -0.135,76.429 ; D14.2@2.829,65.303 4.674,65.303 ; D14.2@3.023,65.329 2.804,65.329 2.265,65.867 2.265,66.086 1.496,66.856 1.496,67.693 R25.1@1.396,67.793 0.322,67.793 -0.135,68.25 -0.135,72.923 ; R3.2@4.343,74.93 -0.135,74.93 ; R24.2@4.521,67.767 4.521,65.456 4.674,65.303 ; D12.2@6.055,64.805 D12.2@6.09,64.77 ; D12.2@6.09,65.278 6.065,65.303 4.674,65.303 ; D9.2@20.987,72.314 21.444,71.856 22.395,71.856 22.521,71.73 v2(22.657,71.73) ; C14.2@24.511,76.2 24.611,76.2 25.48,75.331 D5.C@27.584,75.331 27.584,75.301 26.774,74.491 25.368,74.491 v1(25.349,74.473) ; R10.1@31.572,72.212 31.598,72.238 33.553,72.238 ; -0.135,72.923 -0.135,74.93 ; -0.135,74.93 -0.135,76.429
  Top Layer w1.5: D5.C@27.603,75.313 32.08,75.313 32.348,75.045 32.348,74.97 33.553,73.764 33.553,71.73 33.553,69.088 34.641,68
  Bottom Layer w0.5: v2(3.073,74.905) 7.645,74.905 8.407,74.143 10.922,74.143 13.868,71.196 22.114,71.196 22.647,71.73 v2(22.657,71.73) 22.657,71.755 25.349,74.447 v1(25.349,74.473)
pads on no net: A2.2 D3.6 P3.5 S1.3 U2.3 U2.4 U2.13 U2.29 U2.30 U2.37 U2.46 U2.52 U2.53 U2.54 U2.55 U2.56 U2.57 U2.63 U2.64 U2.65 U2.66 U2.67 U2.68 U3.2 U3.3 U3.9 U3.11 U3.13 U3.15 U3.16 U5.4 U6.3

## Polygon pours and split planes (outlines as drawn)
GND on Top Layer "Top Layer-GND" (solid, remove dead copper, pour order 4): 43.045,86.004 -0.957,86.004 -0.957,46.126 -0.957,38.426 -0.957,9.026 -0.957,-3 43.045,-3
GND on Bottom Layer "Bottom Layer-GND" (solid, remove dead copper, pour order 6): 43.035,86.004 -0.965,86.004 -0.965,-2.971 43.035,-2.971 43.035,46.129

## Keep-outs
Keep-Out Layer:
  lines w0.2: -0.943,2.103 -0.943,29.235 9.22,29.235 9.22,55.245 -0.943,55.245 -0.943,79.347 -0.943,83.896 ; -0.94,83.901 ccw(c0,86) 2.3,86.005 34.807,86.004 34.807,69.698 43.057,69.698 43.057,2.052 ; -0.922,2.108 cw(c-0.001,0.002) 2.298,0.054 ; 2.299,0.002 2.299,-2.988 2.311,-3 39.674,-3 39.7,-2.974 39.7,-0.005 cw(c42,0) 43.054,2.044

## Other copper
Top Layer:
  rectangle net VBAT: 30.937,37.109 33.68,38.608
  rectangle net VIN: 34.036,65.43 38.278,69.164
  rectangle net 4V5: 29.921,55.88 40.488,58.141
  rectangle net GND: 34.061,62.078 35.154,63.856
  rectangle net GND: 29.718,59.792 35.154,62.763
  rectangle net V2G: 17.856,29.159 19.609,33.63
  rectangle net V2G_1: 34.798,38.1 38.964,39.116
  region net V2G: 37.109,34.925 37.109,37.617 35.103,37.617 35.103,34.925
  region net NetC18_2: 34.061,64.872 37.947,64.872 40.691,64.66 40.691,63.271 37.293,63.271 36.369,64.088 34.061,64.396
  pour cut-out: 37.465,55.27 40.081,55.27 40.081,51.867 40.107,51.841 37.465,51.841
  region net 4V5: 39.014,41.605 37.96,42.659 39.243,43.942 40.297,42.888
  pour cut-out: 12.235,48.184 15.875,48.184 15.875,43.358 12.235,43.358
  pour cut-out: -0.686,11.1 -0.686,-2.845 9.55,-2.845 9.55,11.1
  pour cut-out: 6.494,86.081 28.338,86.081 28.338,80.396 6.494,80.396
  text "MMR" at 3.023,84.531 h1
Bottom Layer:
  rectangle net V2G: 35.103,34.925 37.109,36.703
  rectangle net V2G: 17.932,29.083 19.609,35.433
  region net 4V5: 39.008,41.612 37.954,42.666 39.237,43.948 40.291,42.894
  pour cut-out: -0.689,11.1 -0.689,-2.845 9.576,-2.845 9.576,11.1
  pour cut-out: 14.046,17.844 14.046,15.113 21.565,15.113 21.565,17.844
  pour cut-out: 14.046,25.781 14.046,23.165 21.539,23.165 21.539,25.781
  pour cut-out: 15.151,23.999 14.047,23.999 14.047,16.887 15.151,16.887
  pour cut-out: 21.539,23.952 18.288,23.952 18.288,16.84 21.539,16.84
  pour cut-out: 12.065,48.184 15.917,48.184 15.917,43.358 12.065,43.358
  pour cut-out: 6.494,86.157 28.338,86.157 28.338,80.391 6.494,80.391

## Silkscreen, mask and mechanical layers (free items; w line width, h text height)
Top Overlay:
  text "+" at 34.544,68.961 h2 r180
Bottom Overlay:
  lines w0.2: -0.787,80.924 0.787,80.924 0.787,81.331 -0.787,81.331
  lines w0.254: 43.057,37.617 12.971,37.617 12.971,56.667 43.057,56.667
  text "ON" at 22.073,48.844 h1.5 r90
Mechanical 13:
  lines w0.254: 13.818,-1.118 13.818,-2.873 ; 21.057,-1.118 21.057,-2.873 ; 28.307,-1.194 28.307,-2.873
Mechanical 15:
  lines w0.254: 12.971,37.617 12.971,56.667 43.057,56.667 ; 12.997,37.617 43.083,37.617

## Dimensions
-0.943,84.15 to -0.943,55.245 on Mechanical 15
-5.088,48.514 to -0.943,29.235 on Mechanical 15
-0.943,29.235 to -0.943,-2.311 on Mechanical 15

## Text inside footprints (layer, text, board x,y; h text height)
C19: Bottom Overlay "+" at 36.093,67.416 h1.5 r90
J1: Mechanical 2 "Cutout  / prohibition  / area" at 1.087,27.493 h0.2 r90
JP1: Top Overlay "+" at 17.145,44.577 h2 r90; Top Overlay "-" at 16.815,41.554 h2 r90
LED1: Top Overlay "K" at 31.115,27.526 h0.6 r180
LED2: Bottom Overlay "K" at 26.433,-2.586 h0.6
LED3: Bottom Overlay "K" at 19.169,-2.586 h0.6
LED4: Bottom Overlay "K" at 12.065,-2.54 h0.6
P1: Mechanical 15 "RELAY1" at 17.65,85.769 h1.25 r270; Mechanical 15 "P+" at 25.2,85.769 h1.25 r270; Mechanical 15 "P-" at 22.75,85.769 h1.25 r270; Mechanical 15 "ACC" at 20.35,85.769 h1.25 r270